# Altium PCB 1010829PA_HVFlyback_GD_Testboard.PcbDoc (part 1 of 2) (continued)
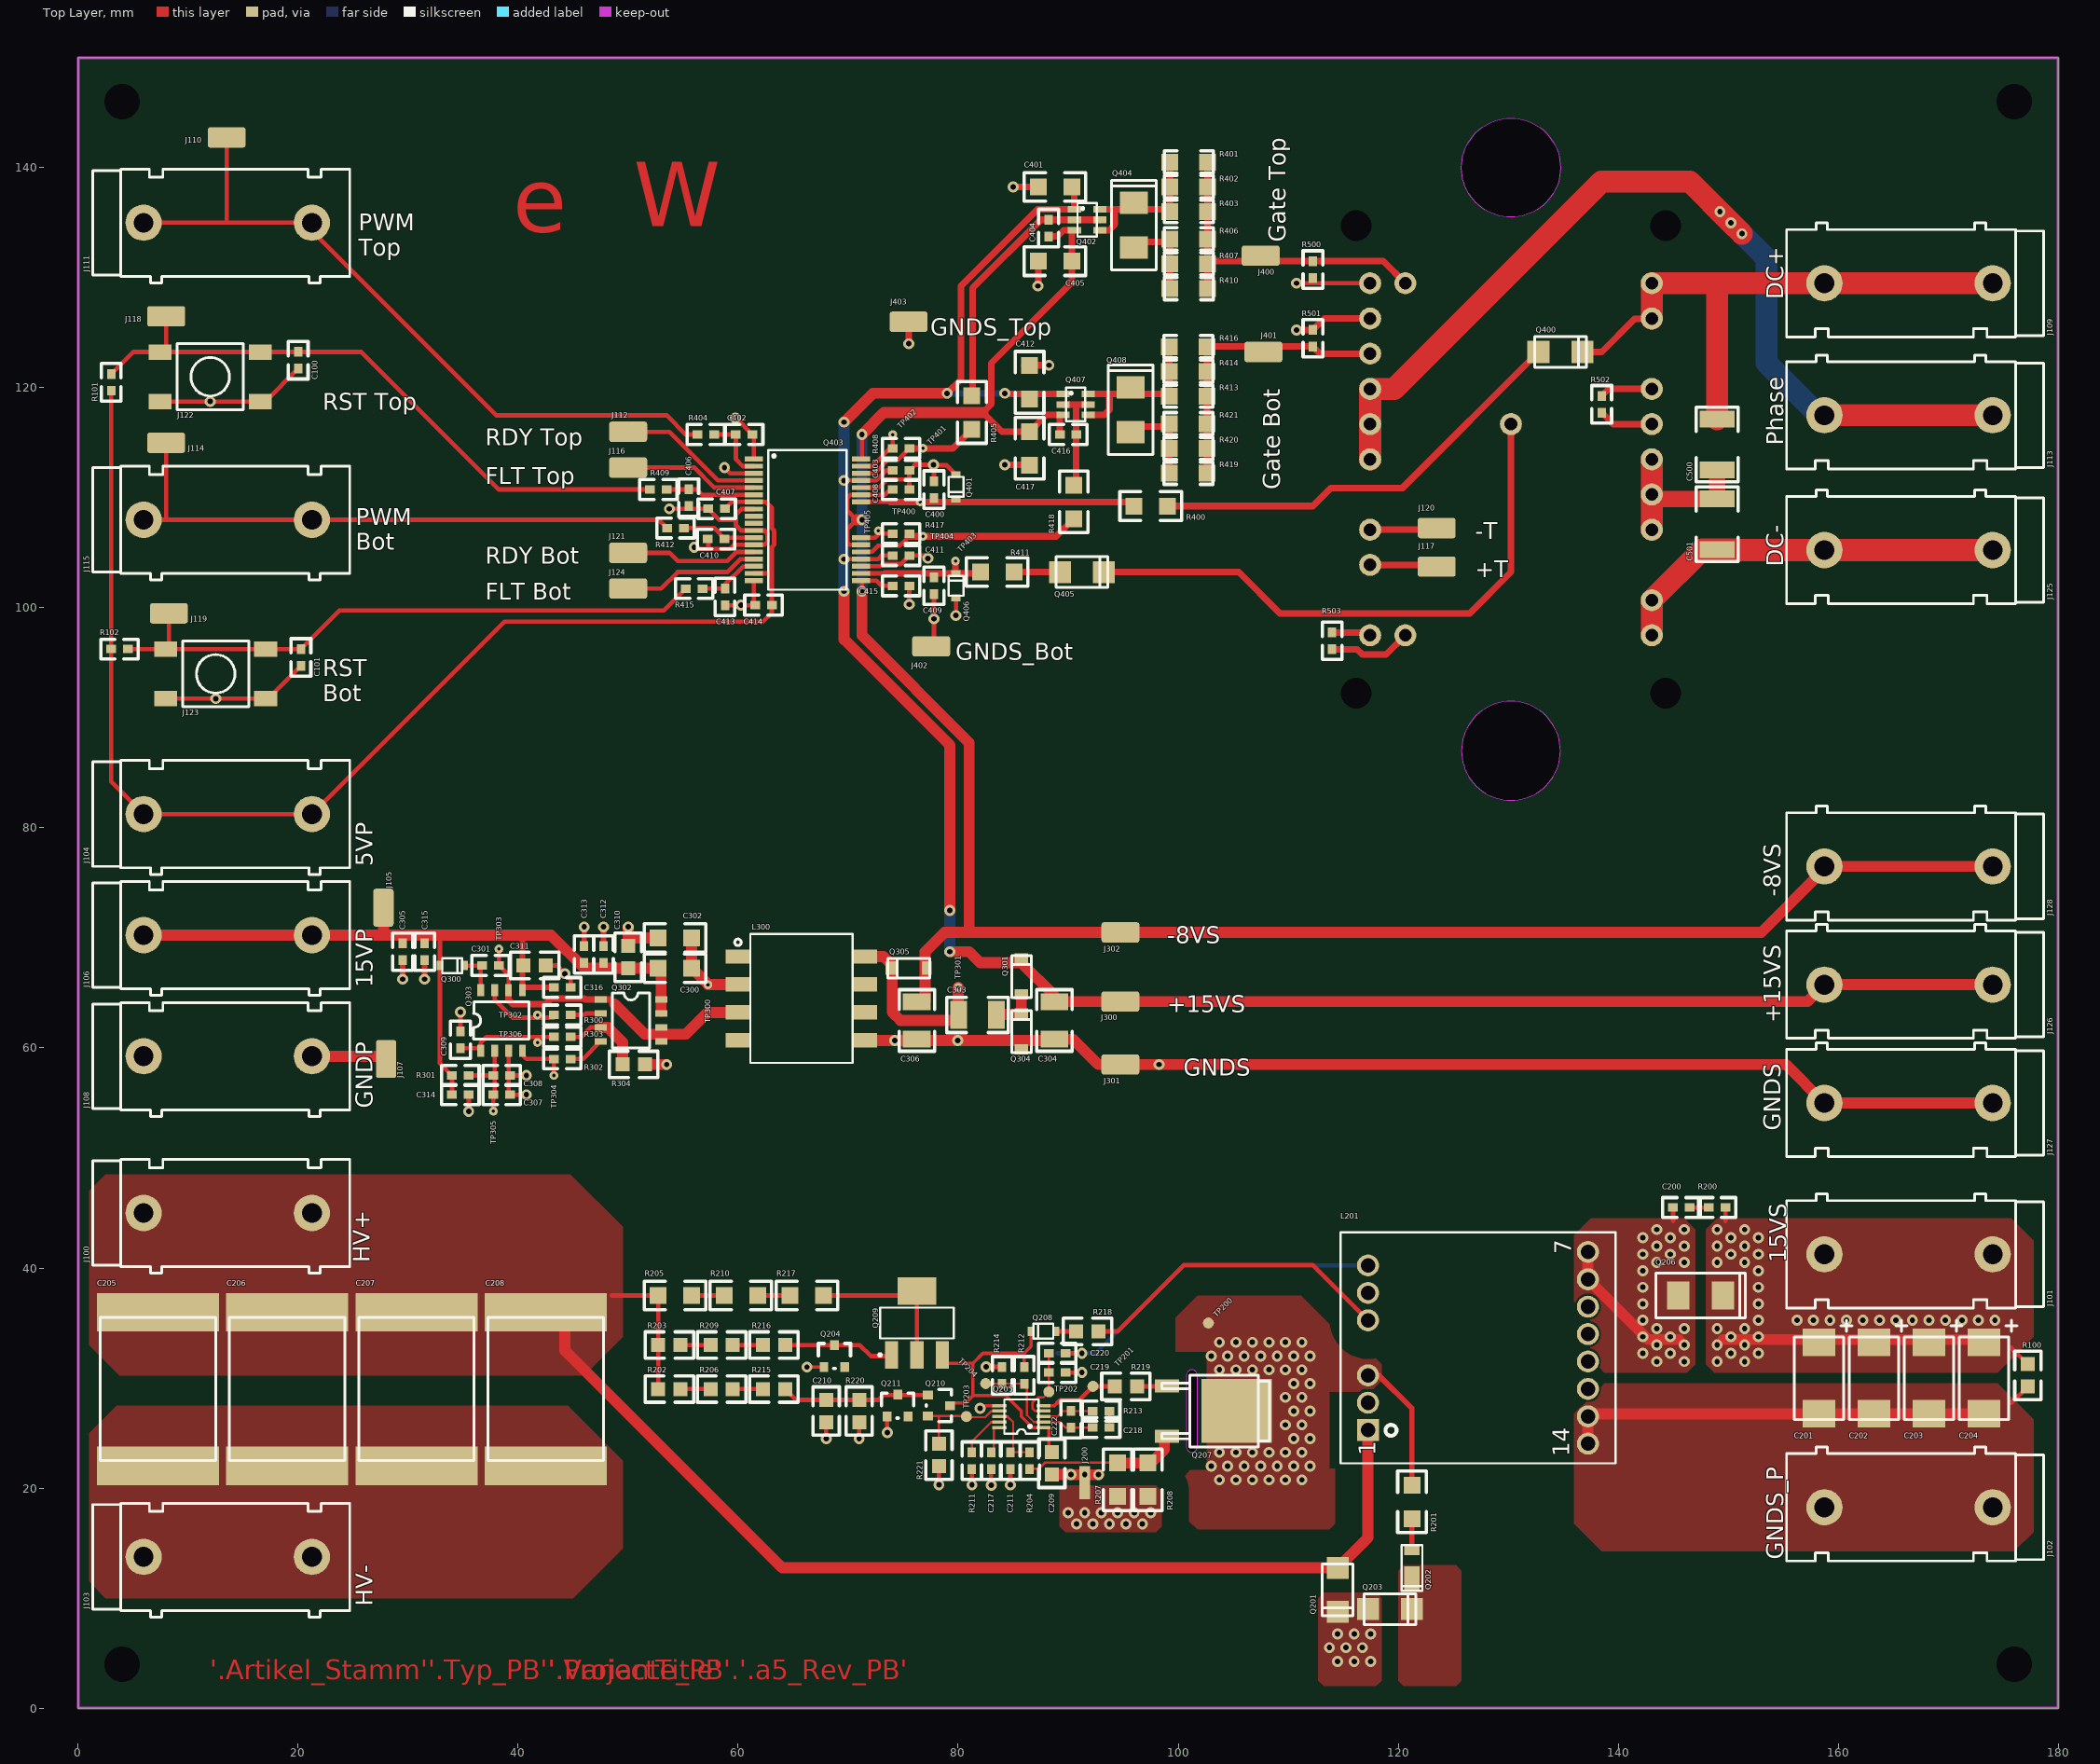
[diagram p0: Top Layer view]
## Components (designator, comment, footprint, x,y, rotation, side; value= is the part's Value field where it differs from the comment)
C100 "10n" 02_0603_DRK_1-7x1-0x0-9 20,122.5 r270 top
C101 "10n" 02_0603_DRK_1-7x1-0x0-9 20.25,95.5 r270 top
C200 "47p" 02_0603_DRK_1-7x1-0x0-9 145.75,45.5 r0 top
C201 "33u" 02_ELKO-SMD-4x7-4_DRK_4-3x7-3x1-9 158.25,30 r0 top
C202 "33u" 02_ELKO-SMD-4x7-4_DRK_4-3x7-3x1-9 163.25,30 r0 top
C203 "33u" 02_ELKO-SMD-4x7-4_DRK_4-3x7-3x1-9 168.25,30 r0 top
C204 "33u" 02_ELKO-SMD-4x7-4_DRK_4-3x7-3x1-9 173.25,30 r0 top
C205 "47n" 02_5040_DRK_3-5mm 7.25,29 r270 top
C206 "47n" 02_5040_DRK_3-5mm 19,29 r270 top
C207 "47n" 02_5040_DRK_3-5mm 30.75,29 r270 top
C208 "47n" 02_5040_DRK_3-5mm 42.5,29 r270 top
C209 "4u7" 02_0805_DRK_2-2x1-5x1-3 88.5,22.25 r270 top
C210 "330n" 02_0805_DRK_2-2x1-5x1-3 68,27 r270 top
C211 "100p" 02_0603_DRK_1-7x1-0x0-9 84.75,22.5 r270 top
C217 "100n" 02_0603_DRK_1-7x1-0x0-9 83,22.5 r270 top
C218 "470n" 02_0603_DRK_1-7x1-0x0-9 93,25.5 r180 top
C219 "100p" 02_0603_DRK_1-7x1-0x0-9 89,30.5 r0 top
C220 "1u" 02_0603_DRK_1-7x1-0x0-9 89,32.25 r0 top
C222 "330p" 02_0603_DRK_1-7x1-0x0-9 90.25,26.25 r270 top
C300 "1u" 02_1206_DRK_3-4x1-8x1-8 54.25,67.25 r0 top
C301 "100n" 02_0603_DRK_1-7x1-0x0-9 37.5,67.5 r0 top
C302 "1u" 02_1206_DRK_3-4x1-8x1-8 54.25,70 r180 top
C303 "4u7" 02_1210_DRK_3-2x2-6x2-7 81.75,63 r0 top
C304 "4u7" 02_1210_DRK_3-2x2-6x2-7 88.75,62.5 r90 top
C305 "100n" 02_0603_DRK_1-7x1-0x0-9 29.5,68.75 r270 top
C306 "4u7" 02_1210_DRK_3-2x2-6x2-7 76.25,62.5 r270 top
C307 "100p" 02_0603_DRK_1-7x1-0x0-9 38.5,55.75 r0 top
C308 "100p" 02_0603_DRK_1-7x1-0x0-9 38.5,57.5 r0 top
C309 "1n" 02_0603_DRK_1-7x1-0x0-9 34.75,60.75 r90 top
C310 "4u7" 02_0805_DRK_2-2x1-5x1-3 50,68.25 r90 top
C311 "4u7" 02_0805_DRK_2-2x1-5x1-3 41.5,67.5 r0 top
C312 "100n" 02_0603_DRK_1-7x1-0x0-9 47.75,68.5 r90 top
C313 "100n" 02_0603_DRK_1-7x1-0x0-9 46,68.5 r90 top
C314 "100n" 02_0603_DRK_1-7x1-0x0-9 34.75,55.75 r0 top
C315 "100n" 02_0603_DRK_1-7x1-0x0-9 31.5,68.75 r270 top
C316 "100n" 02_0603_DRK_1-7x1-0x0-9 44,65.5 r0 top
C400 "47p" 02_0603_DRK_1-7x1-0x0-9 77.8,110.75 r90 top
C401 "10u" 02_1206_DRK_3-4x1-8x1-8 88.798,138.25 r180 top
C402 "100p" 02_0603_DRK_1-7x1-0x0-9 60.55,115.75 r0 top
C403 "100n" 02_0603_DRK_1-7x1-0x0-9 74.8,112.5 r0 top
C404 "10n" 02_0603_DRK_1-7x1-0x0-9 88.218,134.516 r270 top
C405 "10u" 02_1206_DRK_3-4x1-8x1-8 88.798,131.5 r0 top
C406 "100p" 02_0603_DRK_1-7x1-0x0-9 55.5,110 r270 top
C407 "100n" 02_0603_DRK_1-7x1-0x0-9 58.05,109 r180 top
C408 "100n" 02_0603_DRK_1-7x1-0x0-9 74.8,110.75 r180 top
C409 "47p" 02_0603_DRK_1-7x1-0x0-9 77.8,102 r270 top
C410 "100p" 02_0603_DRK_1-7x1-0x0-9 58,106.25 r180 top
C411 "100n" 02_0603_DRK_1-7x1-0x0-9 74.8,104.75 r0 top
C412 "10u" 02_1206_DRK_3-4x1-8x1-8 86.5,120.5 r90 top
C413 "100p" 02_0603_DRK_1-7x1-0x0-9 58.8,101 r270 top
C414 "100n" 02_0603_DRK_1-7x1-0x0-9 62.3,100.25 r180 top
C415 "100n" 02_0603_DRK_1-7x1-0x0-9 74.8,102 r180 top
C416 "10n" 02_0603_DRK_1-7x1-0x0-9 90,115.75 r180 top
C417 "10u" 02_1206_DRK_3-4x1-8x1-8 86.5,114.5 r90 top
C500 "100n" 02_1812_DRK_1-65mm 149,114.75 r270 top
C501 "100n" 02_1812_DRK_1-65mm 149,107.5 r270 top
J100 "Laborbuchse Rot" 13_CON_DRK_DELTRON-571-0100-4mm-Buchse 21.25,45 r180 top
J101 "Laborbuchse Rot" 13_CON_DRK_DELTRON-571-0100-4mm-Buchse 158.75,41.25 r0 top
J102 "Laborbuchse Schwarz" 13_CON_DRK_DELTRON-571-0100-4mm-Buchse 158.75,18.25 r0 top
J103 "Laborbuchse Schwarz" 13_CON_DRK_DELTRON-571-0100-4mm-Buchse 21.25,13.75 r180 top
J104 "Laborbuchse Rot" 13_CON_DRK_DELTRON-571-0100-4mm-Buchse 21.25,81.25 r180 top
J105 "S1751-46R" 13_PAD_DRK_HARWIN_S1751-46 27.75,72.75 r270 top
J106 "Laborbuchse Rot" 13_CON_DRK_DELTRON-571-0100-4mm-Buchse 21.25,70.25 r180 top
J107 "S1751-46R" 13_PAD_DRK_HARWIN_S1751-46 28,59 r90 top
J108 "Laborbuchse Schwarz" 13_CON_DRK_DELTRON-571-0100-4mm-Buchse 21.25,59.25 r180 top
J109 "Laborbuchse Blau" 13_CON_DRK_DELTRON-571-0100-4mm-Buchse 158.75,129.5 r0 top
J110 "S1751-46R" 13_PAD_DRK_HARWIN_S1751-46 13.5,142.75 r180 top
J111 "Laborbuchse Gelb" 13_CON_DRK_DELTRON-571-0100-4mm-Buchse 21.25,135 r180 top
J112 "S1751-46R" 13_PAD_DRK_HARWIN_S1751-46 50,116 r180 top
J113 "Laborbuchse Blau" 13_CON_DRK_DELTRON-571-0100-4mm-Buchse 158.75,117.5 r0 top
J114 "S1751-46R" 13_PAD_DRK_HARWIN_S1751-46 8,115 r180 top
J115 "Laborbuchse Gelb" 13_CON_DRK_DELTRON-571-0100-4mm-Buchse 21.25,108 r180 top
J116 "S1751-46R" 13_PAD_DRK_HARWIN_S1751-46 50,112.75 r180 top
J117 "S1751-46R" 13_PAD_DRK_HARWIN_S1751-46 123.5,103.75 r180 top
J118 "S1751-46R" 13_PAD_DRK_HARWIN_S1751-46 8,126.5 r180 top
J119 "S1751-46R" 13_PAD_DRK_HARWIN_S1751-46 8.25,99.5 r180 top
J120 "S1751-46R" 13_PAD_DRK_HARWIN_S1751-46 123.5,107.25 r180 top
J121 "S1751-46R" 13_PAD_DRK_HARWIN_S1751-46 50,105 r180 top
J122 "FSM2JSMA" 10_SW_DRK_TYCO-FSM2JSMA 12,121 r270 top
J123 "FSM2JSMA" 10_SW_DRK_TYCO-FSM2JSMA 12.5,94 r270 top
J124 "S1751-46R" 13_PAD_DRK_HARWIN_S1751-46 50,101.75 r180 top
J125 "Laborbuchse Blau" 13_CON_DRK_DELTRON-571-0100-4mm-Buchse 158.75,105.25 r0 top
J126 "Laborbuchse Rot" 13_CON_DRK_DELTRON-571-0100-4mm-Buchse 158.75,65.75 r0 top
J127 "Laborbuchse Schwarz" 13_CON_DRK_DELTRON-571-0100-4mm-Buchse 158.75,55 r0 top
J128 "Laborbuchse Rot" 13_CON_DRK_DELTRON-571-0100-4mm-Buchse 158.75,76.5 r0 top
J200 "3x1top" 12_NetCon_top_3x1 91.5,20.5 r270 top net-tie
J300 "S1751-46R" 13_PAD_DRK_HARWIN_S1751-46 94.75,64.214 r180 top
J301 "S1751-46R" 13_PAD_DRK_HARWIN_S1751-46 94.75,58.5 r180 top
J302 "S1751-46R" 13_PAD_DRK_HARWIN_S1751-46 94.75,70.5 r0 top
J400 "S1751-46R" 13_PAD_DRK_HARWIN_S1751-46 107.5,132 r0 top
J401 "S1751-46R" 13_PAD_DRK_HARWIN_S1751-46 107.75,123.25 r0 top
J402 "S1751-46R" 13_PAD_DRK_HARWIN_S1751-46 77.55,96.5 r0 top
J403 "S1751-46R" 13_PAD_DRK_HARWIN_S1751-46 75.5,126 r180 top
L201 "15.8:7.18:7.18" 06_TRA_DRK_WUERTH-750871630 127.25,32.75 r0 top
L300 "1:1.08" 06_TRA_DRK_TDK-B78307A2276A003 65.75,64.5 r270 top
Q201 "SM4T68AY" 03_SMA_DRK 114.5,10.75 r90 top
Q202 "DFLS1100-7" 03_POWERDI_DRK 121.25,12.75 r90 top
Q203 "SM4T68AY" 03_SMA_DRK 119.25,9 r180 top
Q204 "BZX84-12V" 03_SOT23_DRK 68.75,32 r0 top
Q205 "LM5022-Q1" 04_VSSOP-10_DRK 85.75,26.5 r180 top
Q206 "STPS3150UY" 03_SMB_DRK 147.5,37.5 r180 top
Q207 "IPD80R2K7C3A" 03_PG-TO252-3-11 99,27 r270 top
Q208 "1N4148WS-HE3" 03_SOD323_DRK 87.75,34.25 r0 top
Q209 "BSP300" 03_SOT-223_DRK 76.25,35 r90 top
Q210 "PBSS4041NT" 03_SOT23_DRK 78.25,27.5 r270 top
Q211 "BZX84-4.7V" 03_SOT23_DRK 74.5,27.5 r0 top
Q300 "ZLLS400" 03_SOD323_DRK 34,67.488 r180 top
Q301 "PMEG4010CEH" 03_SOD123_DRK 85.75,66.5 r270 top
Q302 "BSO604NS2XUMA1" 03_SO-8_DRK 50.25,62.5 r270 top
Q303 "AUIR2085S" 04_SO-8_DRK 38.5,62.488 r0 top
Q304 "PMEG4010CEH" 03_SOD123_DRK 85.75,61.5 r270 top
Q305 "PMEG4010CEH" 03_SOD123_DRK 75.5,67.25 r0 top
Q400 "US1M" 03_SMA_DRK 134.75,123.25 r180 top
Q401 "ZLLS400" 03_SOD323_DRK 79.8,111 r90 top
Q402 "ZXTC2063E6" 03_SOT23-6_DRK 91.718,135.266 r270 top
Q403 "2ED020I12FAXUMA2" 04_DSO-36_DRK 66.3,108 r0 top
Q404 "SSB43L" 03_SMB_DRK 95.968,134.766 r270 top
Q405 "US1M" 03_SMA_DRK 91.25,103.25 r180 top
Q406 "ZLLS400" 03_SOD323_DRK 79.8,102 r270 top
Q407 "ZXTC2063E6" 03_SOT23-6_DRK 90.67,118.484 r270 top
Q408 "SSB43L" 03_SMB_DRK 95.67,117.984 r270 top
Q500 "SK150TMLI07S5TD1E1" 03_SK150TMLI07S5TD1E1 130.25,113.5 r90 bottom
R100 "10k" 01_0805_DRK_2-2x1-5x0-65 177.25,30.25 r90 top
R101 "10k" 01_0603_DRK_1-7x1-0x0-55 3,120.5 r270 top
R102 "10k" 01_0603_DRK_1-7x1-0x0-55 3.75,96.25 r180 top
R200 "100E" 01_0603_DRK_1-7x1-0x0-55 149,45.5 r0 top
R201 "10E" 01_1206_DRK_3-4x1-8x0-65 121.25,18.75 r90 top
R202 "1M" 01_0805_DRK_2-2x1-5x0-65 53.75,29 r180 top
R203 "1M" 01_0805_DRK_2-2x1-5x0-65 53.75,33 r180 top
R204 "1k" 01_0603_DRK_1-7x1-0x0-55 86.5,22.5 r270 top
R205 "3k3" 01_1206_DRK_3-4x1-8x0-65 54.25,37.5 r180 top
R206 "1M" 01_0805_DRK_2-2x1-5x0-65 58.5,29 r180 top
R207 "100m" 01_1206_DRK_3-4x1-8x0-65 94.5,20.75 r90 top
R208 "100m" 01_1206_DRK_3-4x1-8x0-65 97.25,20.75 r90 top
R209 "1M" 01_0805_DRK_2-2x1-5x0-65 58.5,33 r180 top
R210 "3k3" 01_1206_DRK_3-4x1-8x0-65 60.25,37.5 r180 top
R211 "160k" 01_0603_DRK_1-7x1-0x0-55 81.25,22.5 r90 top
R212 "82k" 01_0603_DRK_1-7x1-0x0-55 86,30.25 r90 top
R213 "1k8" 01_0603_DRK_1-7x1-0x0-55 93,27 r0 top
R214 "7k5" 01_0603_DRK_1-7x1-0x0-55 84,30.25 r270 top
R215 "1M" 01_0805_DRK_2-2x1-5x0-65 63.25,29 r180 top
R216 "1M" 01_0805_DRK_2-2x1-5x0-65 63.25,33 r180 top
R217 "3k3" 01_1206_DRK_3-4x1-8x0-65 66.25,37.5 r180 top
R218 "10E" 01_0805_DRK_2-2x1-5x0-65 91.75,34.25 r0 top
R219 "47E" 01_0805_DRK_2-2x1-5x0-65 95.25,29.25 r0 top
R220 "110k" 01_0805_DRK_2-2x1-5x0-65 71,27 r90 top
R221 "20k" 01_0805_DRK_2-2x1-5x0-65 78.25,23 r90 top
R300 "15E" 01_0603_DRK_1-7x1-0x0-55 44,63 r0 top
R301 "33k" 01_0603_DRK_1-7x1-0x0-55 34.75,57.5 r180 top
R302 "15E" 01_0603_DRK_1-7x1-0x0-55 44,59 r0 top
R303 "1k" 01_0603_DRK_1-7x1-0x0-55 44,61 r180 top
R304 "150m" 01_0805_DRK_2-2x1-5x0-65 50.5,58.5 r180 top
R400 "1k" 01_1206_DRK_3-4x1-8x0-65 97.5,109.25 r0 top
R401 "10E" 01_MMA0204_DRK 100.968,140.516 r180 top
R402 "10E" 01_MMA0204_DRK 100.968,138.266 r180 top
R403 "10E" 01_MMA0204_DRK 100.968,136.016 r180 top
R404 "100E" 01_0603_DRK_1-7x1-0x0-55 57.05,115.75 r0 top
R405 "22E" 01_1206_DRK_3-4x1-8x0-65 81.25,117.75 r270 top
R406 "10E" 01_MMA0204_DRK 100.968,133.516 r180 top
R407 "10E" 01_MMA0204_DRK 100.968,131.266 r180 top
R408 "0E" 01_0603_DRK_1-7x1-0x0-55 74.8,114.5 r0 top
R409 "100E" 01_0603_DRK_1-7x1-0x0-55 52.75,110.75 r0 top
R410 "10E" 01_MMA0204_DRK 100.968,129.016 r180 top
R411 "1k" 01_1206_DRK_3-4x1-8x0-65 83.55,103.25 r0 top
R412 "100E" 01_0603_DRK_1-7x1-0x0-55 54.3,107.25 r0 top
R413 "10E" 01_MMA0204_DRK 100.921,119.234 r180 top
R414 "10E" 01_MMA0204_DRK 100.921,121.484 r180 top
R415 "100E" 01_0603_DRK_1-7x1-0x0-55 56,101.75 r0 top
R416 "10E" 01_MMA0204_DRK 100.921,123.734 r180 top
R417 "0E" 01_0603_DRK_1-7x1-0x0-55 74.8,106.75 r180 top
R418 "22E" 01_1206_DRK_3-4x1-8x0-65 90.5,109.625 r270 top
R419 "10E" 01_MMA0204_DRK 100.921,112.234 r180 top
R420 "10E" 01_MMA0204_DRK 100.921,114.484 r180 top
R421 "10E" 01_MMA0204_DRK 100.921,116.734 r180 top
R500 "47k" 01_0603_DRK_1-7x1-0x0-55 112.25,130.75 r270 top
R501 "47k" 01_0603_DRK_1-7x1-0x0-55 112.25,124.5 r270 top
R502 "47k" 01_0603_DRK_1-7x1-0x0-55 138.5,118.5 r270 top
R503 "47k" 01_0603_DRK_1-7x1-0x0-55 114,97 r270 top
TP200 "TP SMD 1mm" 13_TP_1mm 102.75,35 r90 top
TP201 "TP SMD 1mm" 13_TP_1mm 92.25,29.25 r90 top
TP202 "TP SMD 1mm" 13_TP_1mm 88.25,28.75 r90 top
TP203 "TP SMD 1mm" 13_TP_1mm 80.75,26.5 r90 top
TP204 "TP SMD 1mm" 13_TP_1mm 82.5,29.5 r90 top
TP300 "TP THT Dia 0.8mm, Hole 0.3mm" 13_TP_0-3_0-8mm 57.25,65.75 r90 top
TP301 "TP THT Dia 0.8mm, Hole 0.3mm" 13_TP_0-3_0-8mm 80,65.5 r90 top
TP302 "TP THT Dia 0.8mm, Hole 0.3mm" 13_TP_0-3_0-8mm 41.75,63 r90 top
TP303 "TP THT Dia 0.8mm, Hole 0.3mm" 13_TP_0-3_0-8mm 38.25,69 r90 top
TP304 "TP THT Dia 0.8mm, Hole 0.3mm" 13_TP_0-3_0-8mm 43.25,57.5 r90 top
TP305 "TP THT Dia 0.8mm, Hole 0.3mm" 13_TP_0-3_0-8mm 37.75,54.25 r90 top
TP306 "TP THT Dia 0.8mm, Hole 0.3mm" 13_TP_0-3_0-8mm 41.75,60.5 r90 top
TP400 "TP THT Dia 0.8mm, Hole 0.3mm" 13_TP_0-3_0-8mm 76.55,109.625 r90 top
TP401 "TP THT Dia 0.8mm, Hole 0.3mm" 13_TP_0-3_0-8mm 76.8,114.5 r90 top
TP402 "TP THT Dia 0.8mm, Hole 0.3mm" 13_TP_0-3_0-8mm 74.05,115.75 r90 top
TP403 "TP THT Dia 0.8mm, Hole 0.3mm" 13_TP_0-3_0-8mm 79.75,104.25 r90 top
TP404 "TP THT Dia 0.8mm, Hole 0.3mm" 13_TP_0-3_0-8mm 76.8,106.5 r90 top
TP405 "TP THT Dia 0.8mm, Hole 0.3mm" 13_TP_0-3_0-8mm 72.75,107 r90 top

## Footprints (in the part's own frame and the unit in brackets; to place one, negate y for a bottom-side part, rotate by r counter-clockwise, add the part's x,y. Pads: shape width x height; smd on the part's side, far side on the other; paste and mask are expansions set on the pad)
01_0603_DRK_1-7x1-0x0-55 [mil]
  rect 35x30 smd: 1(-30,0) 2(30,0)
  silkscreen extent -67,-35 67,35, body extent -31,-16 31,16, height 22
01_0805_DRK_2-2x1-5x0-65 [mil]
  rect 50x50 smd: 1(-40,0) 2(40,0)
  silkscreen extent -87,-47 87,47, body extent -39,-26 39,26, height 26
01_1206_DRK_3-4x1-8x0-65 [mil]
  rect 60x60 smd: 1(-60,0) 2(60,0)
  silkscreen extent -110,-51 110,51, body extent -63,-31 63,32, height 22
01_MMA0204_DRK [mil]
  rect 60x60 smd: 1(-67.5,0) 2(67.5,0)
  silkscreen extent -88,-40 88,40, body extent -71,-30 71,30, height 59
02_0603_DRK_1-7x1-0x0-9 [mil]
  rect 35x30 smd: 1(-30,0) 2(30,0)
  silkscreen extent -67,-35 67,35, body extent -31,-16 32,16, height 34
02_0805_DRK_2-2x1-5x1-3 [mil]
  rect 50x50 smd: 1(-40,0) 2(40,0)
  silkscreen extent -87,-47 87,47, body extent -43,-30 43,30, height 51
02_1206_DRK_3-4x1-8x1-8 [mil]
  rect 60x60 smd: 1(-60,0) 2(60,0)
  silkscreen extent -110,-51 110,51, body extent -63,-31 63,31, height 63
02_1210_DRK_3-2x2-6x2-7 [mil]
  rect 60x100 smd: 1(-67.5,0) 2(67.5,0)
  silkscreen extent -110,-63 110,63, body extent -63,-51 63,51, height 106
02_1812_DRK_1-65mm [mm]
  rect 1.524x3.2 smd: 1(-2.4,0) 2(2.2,0)
  silkscreen extent -3.5,-1.9 3.3,1.9, body extent -2.25,-1.6 2.25,1.6, height 1.6
02_5040_DRK_3-5mm [mm]
  rect 3.5x11.1 smd: 1(-6.975,0) 2(6.995,0)
  silkscreen extent -6.5,-5.25 6.5,5.25, body extent -6.5,-5.25 6.5,5.25, height 3.5
02_ELKO-SMD-4x7-4_DRK_4-3x7-3x1-9 [mm]
  rect 3x2.5 smd: 1(0,3.25) 2(0,-3.25)
  silkscreen extent -2.25,-3.75 3,5.25, body extent -2.25,-3.75 2.25,3.75, height 1.9
03_PG-TO252-3-11 [mm]
  rect 1.2x2.2 smd: 1(-2.28,0) 3(2.28,0)
  rect 5.8x6.4 smd: 2(0,6.3)
  silkscreen extent -3.25,-0.5 3.25,9.3, body extent -3.25,-0.48 3.25,9.3, height 2.4
03_POWERDI_DRK [mm]
  rect 2.2x1.4 smd: 1(-0.95,0)
  rect 0.9x1.4 smd: 2(1.6,0)
  silkscreen extent -2.07,-0.95 2.08,0.95, body extent -1.95,-0.96 1.95,0.97, height 1.01
03_SK150TMLI07S5TD1E1 [mm] "Preliminary!"
  round 0 hole 2.8 unplated: 0(-21.25,-14.05) 0(-21.25,14.05) 0(21.25,-14.05) 0(21.25,14.05)
  round 2 hole 1.15: +T(-9.6,-12.8) -T(-6.4,-12.8) AC(0,-12.8) AC(3.2,-12.8) AC(6.4,-12.8) C(3.2,0) DC+(12.8,12.8) DC+(16,12.8) DC-(-16,12.8) DC-(-12.8,12.8) E1(16,-12.8) E2(12.8,-12.8) E3(3.2,12.8) E4(-16,-9.6) G1(16,-9.6) G2(9.6,-12.8) G3(6.4,12.8) G4(-16,-12.8) N(-6.4,12.8) N(-3.2,12.8) N(0,12.8)
  Top Layer lines w0.2: -16.15,12.8 -16,12.8
  Keep-Out Layer board cut-out: -26.5,-4.5 -28.222,-4.157 -29.682,-3.182 -30.657,-1.722 -31,0 -31,0 -30.657,1.722 -29.682,3.182 -28.222,4.157 -26.5,4.5 -26.5,4.5 -24.778,4.157 -23.318,3.182 -22.343,1.722 -22,0 -22,0 -22.343,-1.722 -23.318,-3.182 -24.778,-4.157 -26.5,-4.5
  Keep-Out Layer board cut-out: 22,0 22.343,-1.722 23.318,-3.182 24.778,-4.157 26.5,-4.5 26.5,-4.5 28.222,-4.157 29.682,-3.182 30.657,-1.722 31,0 31,0 30.657,1.722 29.682,3.182 28.222,4.157 26.5,4.5 26.5,4.5 24.778,4.157 23.318,3.182 22.343,1.722 22,0
  silkscreen extent -31.4,-17.05 31.4,17.05, body extent -31.4,-16.9 31.4,16.9, height 12.24
03_SMA_DRK [mm]
  rect 2x2 smd: 1(-2,0) 2(2,0)
  silkscreen extent -2.35,-1.4 2.35,1.4, body extent -2.65,-1.3 2.65,1.3, height 2.32
03_SMB_DRK [mil]
  rect 80x100 smd: 1(-80,0) 2(80,0)
  silkscreen extent -160,-80 160,80, body extent -106,-71 106,71, height 95
03_SO-8_DRK [mm]
  rect 0.61x1.1 smd: 1(-1.905,-2.75) 3(0.635,-2.75)
  rect 0.6x1.1 smd: 2(-0.635,-2.75) 4(1.905,-2.75) 5(1.905,2.75) 6(0.635,2.75) 7(-0.635,2.75) 8(-1.905,2.75)
  silkscreen extent -2.5,-1.7 2.5,1.7, body extent -2.5,-3.03 2.5,3.03, height 1.9
03_SOD123_DRK [mm]
  rect 0.91x1.22 smd: 1(-1.635,0) 2(1.635,0)
  silkscreen extent -1.91,-0.89 1.91,0.89, body extent -1.85,-0.77 1.85,0.78, height 1.35
03_SOD323_DRK [mm]
  rect 0.63x0.83 smd: 1(-1.11,0) 2(1.11,0)
  silkscreen extent -0.9,-0.67 0.9,0.67, body extent -1.35,-0.67 1.35,0.68, height 1.1
03_SOT23-6_DRK [mm]
  rect 0.6x1.2 smd: 1(-0.95,-1.15) 2(0,-1.15) 3(0.95,-1.15) 4(0.95,1.15) 5(0,1.15) 6(-0.95,1.15)
  silkscreen extent -1.53,-0.87 1.53,0.87, body extent -1.52,-1.5 1.52,1.5, height 1.39
03_SOT23_DRK [mm]
  rect 0.8x0.9 smd: 1(-0.95,-1) 2(0.95,-1) 3(0,1)
  silkscreen extent -1.46,-1.14 1.46,1.14, body extent -1.46,-1.25 1.46,1.23, height 1.04
03_SOT-223_DRK [mm]
  rect 2.5x1.2 smd: 1(-2.9,2.3) 2(-2.9,0) 3(-2.9,-2.3)
  rect 2.5x3.5 smd: 4(2.9,0)
  silkscreen extent -3.02,-3.35 1.4,3.47, body extent -3.48,-3.25 3.48,3.25, height 1.65
04_DSO-36_DRK [mm]
  rect 1.67x0.45 smd mask+0.05: 1(-4.865,5.525) 2(-4.865,4.875) 3(-4.865,4.225) 4(-4.865,3.575) 5(-4.865,2.925) 6(-4.865,2.275) 7(-4.865,1.625) 8(-4.865,0.975) 9(-4.865,0.325) 10(-4.865,-0.325) 11(-4.865,-0.975) 12(-4.865,-1.625) 13(-4.865,-2.275) 14(-4.865,-2.925) 15(-4.865,-3.575) 16(-4.865,-4.225) 17(-4.865,-4.875) 18(-4.865,-5.525) 19(4.865,-5.525) 20(4.865,-4.875) 21(4.865,-4.225) 22(4.865,-3.575) 23(4.865,-2.925) 24(4.865,-2.275) 25(4.865,-1.625) 30(4.865,1.625) 31(4.865,2.275) 32(4.865,2.925) 33(4.865,3.575) 34(4.865,4.225) 35(4.865,4.875) 36(4.865,5.525)
  silkscreen extent -3.55,-6.35 3.55,6.35, body extent -5.15,-6.4 5.15,6.4, height 2.66
04_SO-8_DRK [mm]
  rect 0.61x1.1 smd: 1(-1.905,-2.75) 3(0.635,-2.75)
  rect 0.6x1.1 smd: 2(-0.635,-2.75) 4(1.905,-2.75) 5(1.905,2.75) 6(0.635,2.75) 7(-0.635,2.75) 8(-1.905,2.75)
  silkscreen extent -2.54,-1.7 2.5,1.7, body extent -2.5,-3.03 2.5,3.03, height 1.9
04_VSSOP-10_DRK [mm]
  rect 1.3x0.3 smd mask+0.05: 1(-2,1) 2(-2,0.5) 3(-2,0) 4(-2,-0.5) 5(-2,-1) 6(2,-1) 7(2,-0.5) 8(2,0) 9(2,0.5) 10(2,1)
  silkscreen extent -1.55,-1.55 1.55,1.55, body extent -1.55,-1.55 1.55,1.54, height 1.1
06_TRA_DRK_TDK-B78307A2276A003 [mm]
  rect 1.3x2.21 smd: 1(-3.81,-5.77) 2(-1.27,-5.77) 3(1.27,-5.77) 4(3.81,-5.77) 5(3.81,5.77) 6(1.27,5.77) 7(-1.27,5.77) 8(-3.81,5.77)
  silkscreen extent -5.85,-6.07 5.85,4.65, body extent -5.85,-4.65 5.85,4.65, height 11.35
06_TRA_DRK_WUERTH-750871630 [mm]
  rect 2x2 hole 1.32: 1(-10,-7.48)
  round 2 hole 1.32: 2(-10,-4.99) 3(-10,-2.5) 4(-10,2.5) 5(-10,4.99) 6(-10,7.48) 7(10,8.715) 8(10,6.225) 9(10,3.735) 10(10,1.245) 11(10,-1.245) 12(10,-3.735) 13(10,-6.225) 14(10,-8.715)
  silkscreen extent -12.5,-10.5 12.5,10.5, body extent -12.32,-11.1 12.72,11.1, height 16.01
10_SW_DRK_TYCO-FSM2JSMA [mm]
  rect 1.4x2.1 smd: 1(2.25,4.55) 2(2.25,-4.55) 3(-2.25,4.55) 4(-2.25,-4.55)
  silkscreen extent -3,-3 3,3, body extent -3,-5 3,5, height 4.39
12_NetCon_top_3x1 [mm]
  rect 1.52x1 smd paste-1: 1(-0.74,0) 2(0.74,0)
13_CON_DRK_DELTRON-571-0100-4mm-Buchse [mm]
  round 3.3 hole 1.8: 1(0,0) 1(15.3,0)
  silkscreen extent -3.44,-4.87 19.92,5.48, body extent -3.42,-4.87 19.95,5.48, height 12.42
13_PAD_DRK_HARWIN_S1751-46 [mm] "Harwin SMD Testpoint S1751-46"
  rrect25% 3.45x1.85 smd: 1(0,0)
  body extent -1.63,-0.82 1.62,0.82, height 2.01
13_TP_0-3_0-8mm [mm]
  round 0.8 / inner round 0.7 / far side round 0.8 hole 0.3 paste+0.07: 1(0,0)
13_TP_1mm [mm]
  round 1 smd paste-1: 1(0,0)

## Part data
C100 C101 C404 C416: library part 02-0313, CaseName=0603, Manufacturer 1=Murata, Manufacturer Part Number 1=GCM188R72A103KA37D, Tolerance=10, Voltage=100V, Author=RLE, ComponentLink1Description=Datasheet, ComponentLink1URL=http://psearch.murata.com/capacitor/product/GCM1885C1H100JA16%23.pdf, Distributor=Mouser, LatestRevision Date=25.06.2014, LatestRevision Note=Initial, Order Number=81-GCM188R72A103KA7D, Part Description="Ceramic 0603 10n 100V 10% X7R, AEC-Q200", Part Number=02-0313, PartValue=10n, Price=0.1, ROHS=True, Type1=CAP, Type2=Ceramic, Type3=X7R
C200 C400 C409: library part 02-0270, CaseName=0603, Manufacturer 1=Kemet, Manufacturer Part Number 1=C0603X470J1GACTU, Tolerance=5, Voltage=100V, Author=RLE, ComponentLink1Description=Datasheet, ComponentLink1URL=http://www.kemet.com/kemet/web/homepage/kechome.nsf/file/Flexible%20Termination%20Ceramic%20Chip%20Capacitors%20%28FT-CAP%29/$file/KEM_C1013_X7R_FT-CAP_SMD.pdf, Distributor=Mouser, LatestRevision Date=22.06.2012, LatestRevision Note=Initial, Order Number=80-C0603X470J1G, Part Description="Ceramic 0603 47pF 100V COG Flexiterm", Part Number=02-0270, PartValue=47p, Price=0.36, ROHS=True, Type1=CAP, Type2=Ceramic, Type3=COG
C201 C202 C203 C204: library part 02-0399, CaseName=SMD-4.3x7.3x1.9, Manufacturer 1=Panasonic, Manufacturer Part Number 1=EEF-HX1E330R, Tolerance=20, Voltage=25V, Author=LME, ComponentLink1Description=Datasheet, ComponentLink1URL=http://www.mouser.com/ds/2/315/ABE0000C90-1100919.pdf, Distributor=Mouser, LatestRevision Date=21.12.2017, LatestRevision Note=Initial, Order Number=667-EEF-HX1E330R, Part Description="Polymer Aluminum 100uF 8V 4.3x7.3mm", Part Number=02-0399, PartValue=33u, Price=1.71, ROHS=True, Type1=ELKO, Type2=Poly
C205 C206 C207 C208: library part 02-0364, CaseName=5040, Manufacturer 1=Kemet, Manufacturer Part Number 1=LDEQG2470KA5N00, Tolerance=10, Voltage=1000V, Author=IKU, ComponentLink1Description=Datasheet, ComponentLink1URL=http://www.mouser.com/ds/2/212/KEM_F3078_LDE-462598.pdf, Distributor=Mouser, LatestRevision Date=27.07.2016, LatestRevision Note=Initial, Order Number=80-LDEQG2470KA5N00, Part Description="PEN film capacitor 47n 1000 V", Part Number=02-0364, PartValue=47n, Price=3.56, ROHS=True, Type1=CAP, Type2=Foil, Type3=PEN
C209: library part 02-0353, CaseName=0805, Manufacturer 1=TDK, Manufacturer Part Number 1=CGA4J1X7R1V475K125AE, Tolerance=10, Voltage=35V, Author=RLE, ComponentLink1Description=Datasheet, ComponentLink1URL=https://product.tdk.com/info/en/catalog/datasheets/mlcc_automotive_soft_en.pdf, Distributor=Mouser, LatestRevision Date=13.04.2016, LatestRevision Note=Initial, Order Number=810-CGA4J1X7R1V475KE, Part Description="Ceramic 0805 4.7uF 35V X7R Automotive, flexiterm", Part Number=02-0353, PartValue=4u7, Price=0.767, ROHS=True, Type1=CAP, Type2=Ceramic, Type3=X7R
C210: library part 02-0058, CaseName=0805, Manufacturer 1=PHYCOMP, Manufacturer Part Number 1="2238 910 15642", Tolerance=10, Voltage=16V, Author=CBA, Checked=HHU, ComponentLink1Description=Datasheet, ComponentLink1URL=http://www.yageo.com/pdf/X7R_16-to-500V_9.pdf, Distributor=Farnell, LatestRevision Date=18.11.2008, LatestRevision Note=Initial, Order Number=3188875, Part Description="Ceramic 0805 330n 16V X7R", Part Number=02-0058, PartValue=330n, Price=0.21, ROHS=True, Type1=CAP, Type2=Ceramic, Type3=X7R
C211 C219 C307 C308 C402 C406 C410 C413: library part 02-0380, CaseName=0603, Manufacturer 1=Murata, Manufacturer Part Number 1=GCM1885C1H101JA16D, Tolerance=5, Voltage=50V, Author=RLE, ComponentLink1Description=Datasheet, ComponentLink1URL=http://www.murata.com/products/catalog/pdf/c03e.pdf, Distributor=Mouser, LatestRevision Date=12.09.2016, LatestRevision Note=Initial, Order Number=81-GCM1885C1H101JA6D, Part Description="Ceramic 0603 100pF 50V 5% C0G  AEC-Q200", Part Number=02-0380, PartValue=100p, Price=0.1, ROHS=True, Type1=CAP, Type2=Ceramic, Type3=COG
C217: library part 02-0184, CaseName=0603, Manufacturer 1=AVX, Manufacturer Part Number 1=06035C104KAZ2A, Tolerance=10, Voltage=50V, Author=MSC, Checked=HHU, ComponentLink1Description=Datasheet, ComponentLink1URL=http://www.farnell.com/datasheets/111446.pdf, Distributor=Farnell, LatestRevision Date=26.03.2009, LatestRevision Note=Checked, Order Number=1301894, Part Description="Ceramic 0603 100n 50V X7R flexiterm", Part Number=02-0184, PartValue=100n, Price=0.23, ROHS=True, Type1=CAP, Type2=Ceramic, Type3=X7R
C218: library part 02-0206, CaseName=0603, Manufacturer 1=muRata, Manufacturer Part Number 1=GCM188R71E474KA64D, Tolerance=10, Voltage=25V, Author=RLE, Checked=CRA, ComponentLink1Description=Datasheet, ComponentLink1URL=http://search.murata.co.jp/Ceramy/image/img/PDF/ENG/GCM188R71E474KA64.pdf, Distributor=Digikey, LatestRevision Date=06.08.2009, LatestRevision Note=Checked, Order Number=490-4776-1-ND, Part Description="Automotive Caramic 0603 470nF 25V X7R", Part Number=02-0206, PartValue=470n, Price=0.03, ROHS=True, Type1=CAP, Type2=Ceramic, Type3=X7R
C220: library part 02-0275, CaseName=0603, Manufacturer 1=TDK, Manufacturer Part Number 1=CGA3E1X7R1E105K, Tolerance=10, Voltage=25V, Author=SSC, ComponentLink1Description=Datasheet, ComponentLink1URL=http://www.tdk.co.jp/tefe02/e412_cga.pdf, Distributor=Mouser, Distributor 2=Digikey, LatestRevision Date=25.06.2012, LatestRevision Note=Initial, Order Number=810-CGA3E1X7R1E105K, Order Number 2=445-6931-1-ND, Part Description="Ceramic 0603 1u 25V 10% X7R Automotive", Part Number=02-0275, PartValue=1u, Price=0.27, ROHS=True, Type1=CAP, Type2=Ceramic, Type3=X7R
C222: library part 02-0026, CaseName=0603, Manufacturer 1=PHYCOMP, Manufacturer Part Number 1=CC0603KRX7R9BB331, Tolerance=10, Voltage=50V, Author=CBA, Checked=HHU, ComponentLink1Description=Datasheet, ComponentLink1URL=http://www.yageo.com/pdf/X7R_16-to-500V_9.pdf, Distributor=Farnell, LatestRevision Date=09.12.2008, LatestRevision Note=Checked, Order Number=722145, Part Description="Ceramic 0603 330p 50V X7R", Part Number=02-0026, PartValue=330p, Price=0.08, ROHS=True, Type1=CAP, Type2=Ceramic, Type3=X7R
C300 C302: library part 02-0297, CaseName=1206, Manufacturer 1=TDK, Manufacturer Part Number 1=C3216X7R2A105KT5, Tolerance=10, Voltage=100V, Author=CSI, ComponentLink1Description=Datasheet, ComponentLink1URL=http://www.tdk.com/pdf/general_B11.pdf, Distributor=Mouser, LatestRevision Date=07.05.2013, LatestRevision Note=Initial, Order Number=810-C3216X7R2A105KT5, Part Description="Ceramic 1206 1u 100V X7R", Part Number=02-0297, PartValue=1u, Price=0.2, ROHS=True, Type1=CAP, Type2=Ceramic, Type3=X7R
C301 C305 C312 C313 C314 C315 C316 C403 C407 C408 C411 C414 C415: library part 02-0342, CaseName=0603, Manufacturer 1=Murata, Manufacturer Part Number 1=GCJ188R71H104KA12D, Tolerance=10, Voltage=50V, Author=RLE, ComponentLink1Description=Datasheet, ComponentLink1URL=http://www.murata.com/~/media/webrenewal/support/library/catalog/products/capacitor/mlcc/c03e.ashx, Distributor=Mouser, LatestRevision Date=15.07.2015, LatestRevision Note=Initial, Order Number=81-GCJ188R71H104KA2D, Part Description="Ceramic 0603 100nF 50V X7R, AEC-Q200, Fail-Save, Deflecting Crack", Part Number=02-0342, PartValue=100n, Price=0.257, ROHS=True, Type1=CAP, Type2=Ceramic, Type3=X7R